# Altium PCB PIF_robot.PcbDoc
Units mil, origin at the board's own origin, x right, y up, seen from the top; angles counter-clockwise.
Board outline 6000 x 4000 mil, 2 copper layers (Top Layer, Bottom Layer); 72 components, 127 nets, 318 pads, 0 vias.
Unrouted connection lines stored in the file: 158.
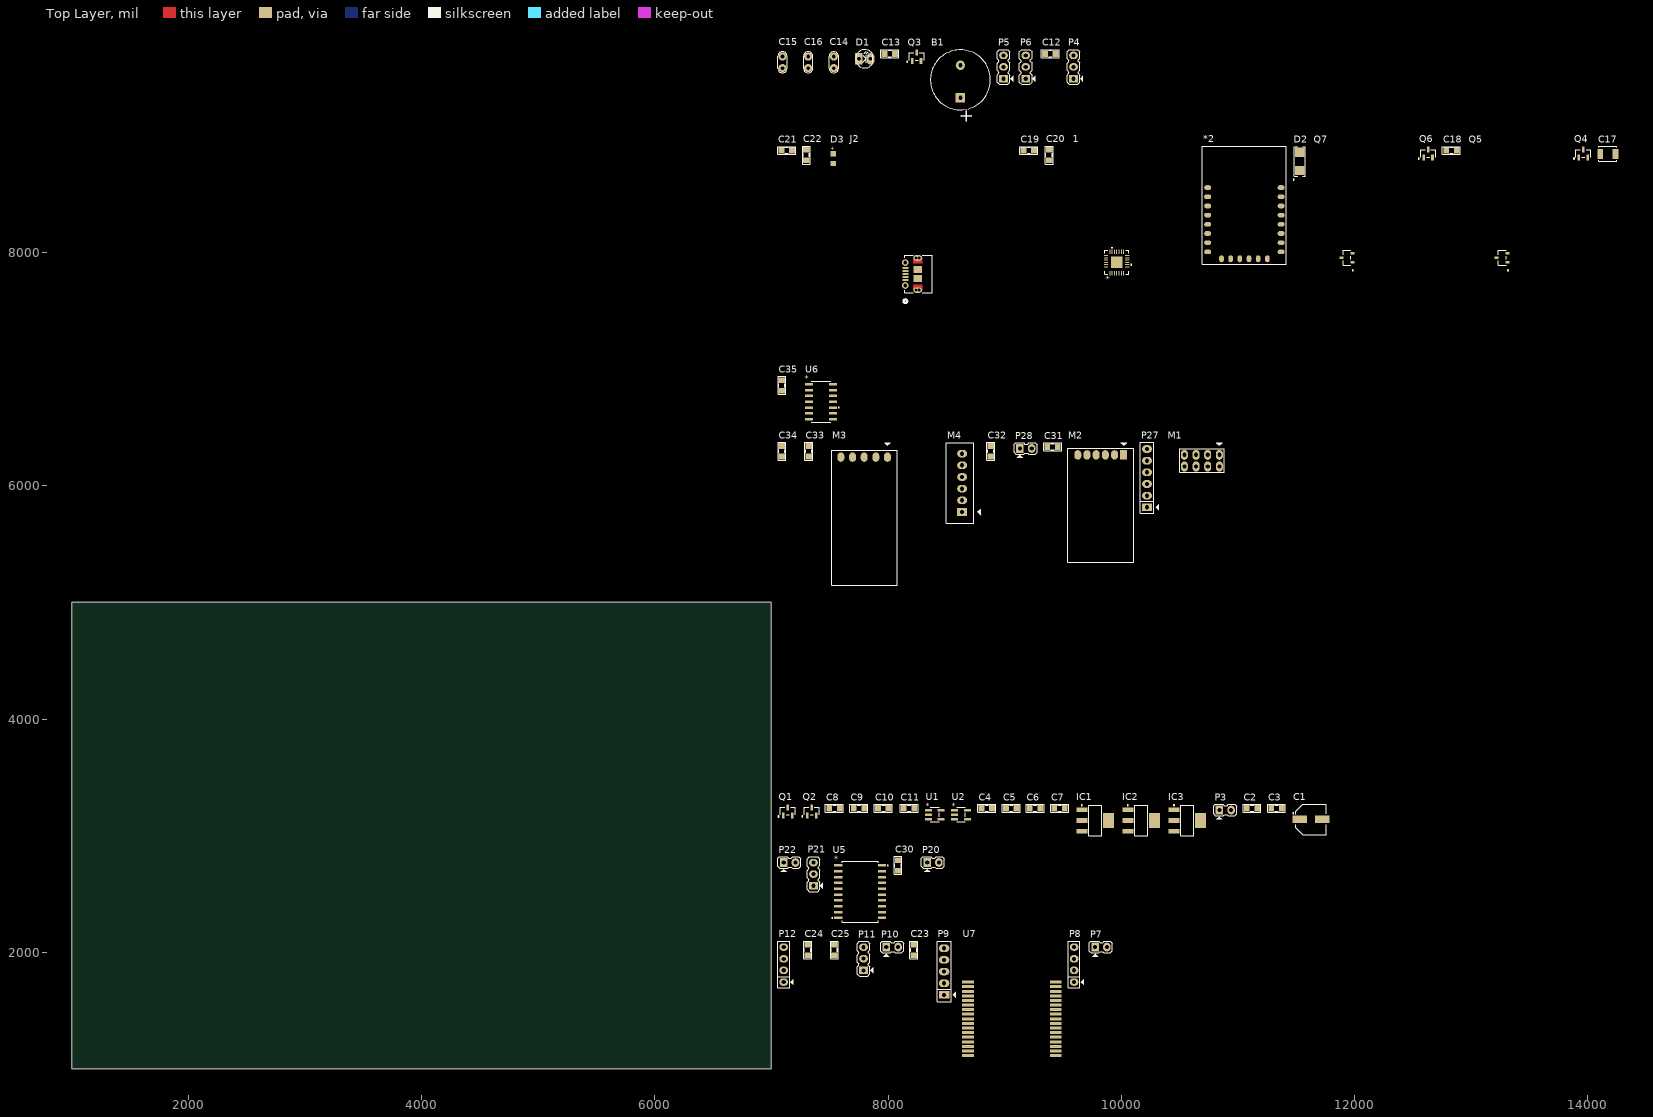
[diagram p0: Top Layer view]
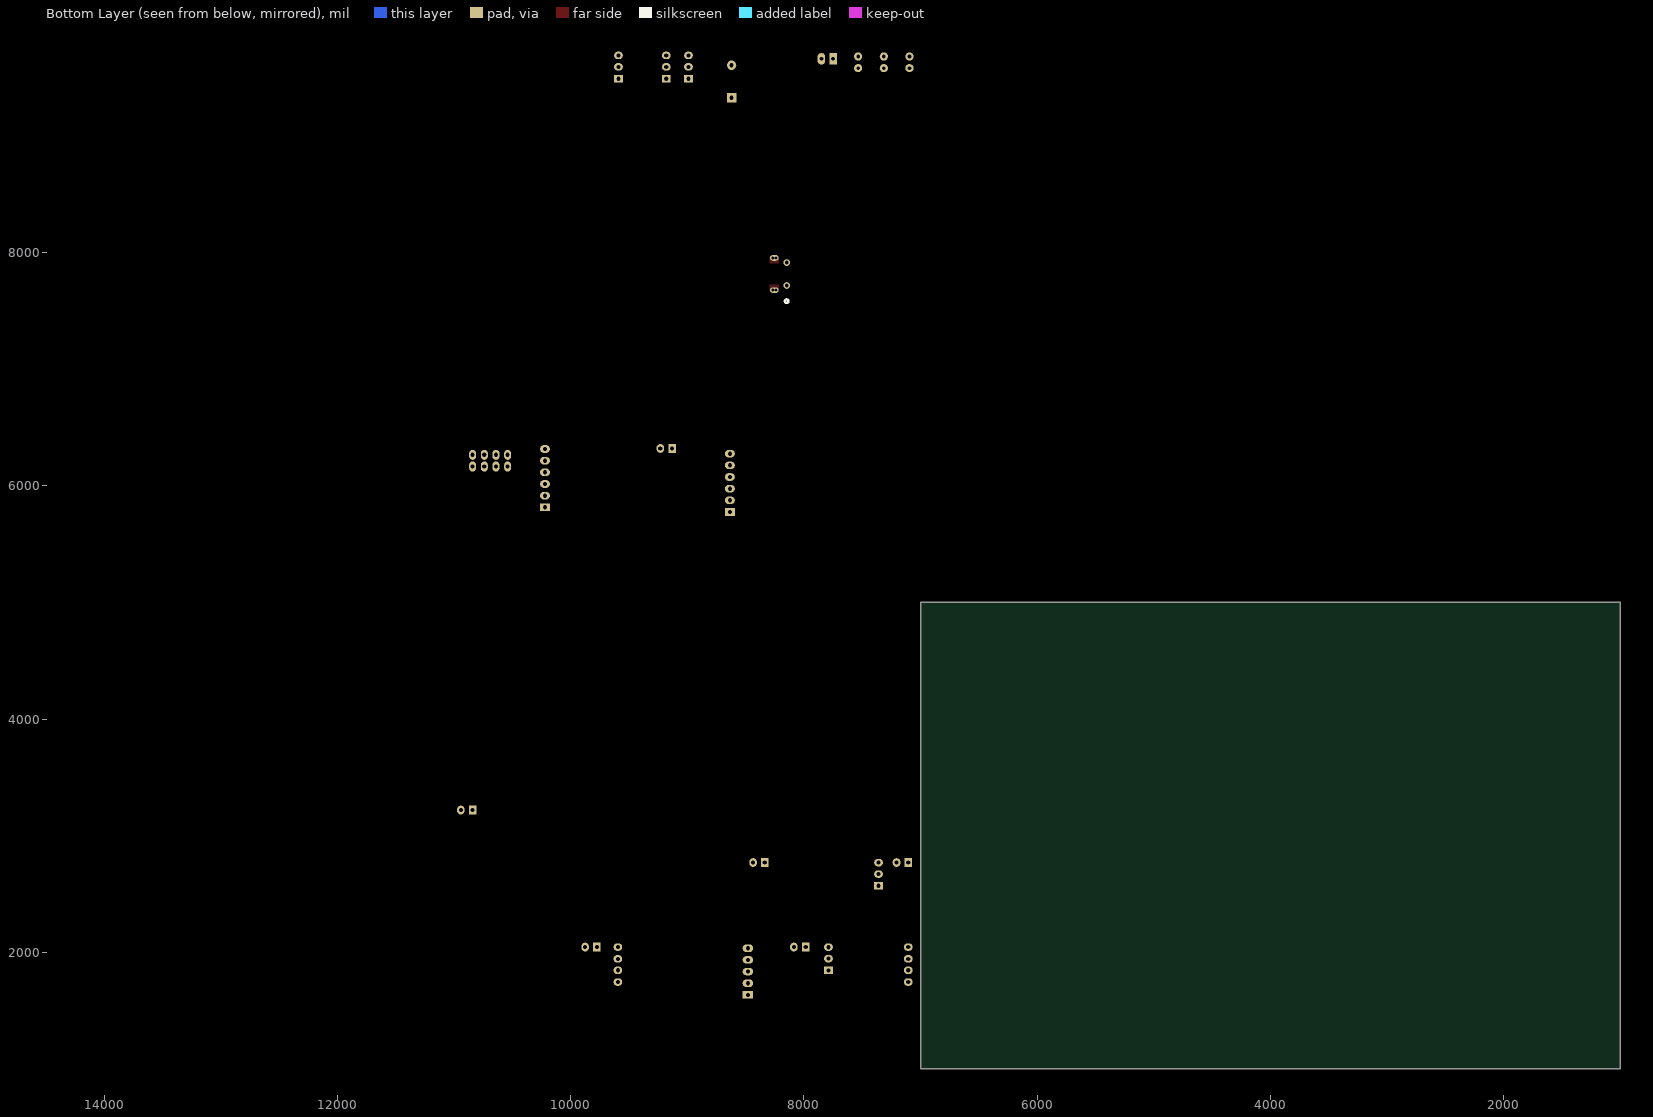
[diagram p1: Bottom Layer view, seen from below]

## Layer stack, top to bottom
Top Solder: solder mask 0.4, Solder Resist, Dk 3.5
Top Layer: signal copper 1.4
Dielectric 1: dielectric 12.6, FR-4, Dk 4.8
Bottom Layer: signal copper 1.4
Bottom Solder: solder mask 0.4, Solder Resist, Dk 3.5

## Board outline
1000,1000 7000,1000 7000,5000 1000,5000

## Design rules (kind name [scope] priority, off if disabled: settings)
Clearance [All] p1: gap=8 ignorepadtopadclearanceinfootprint=FALSE
Height [All] p1: minheight=0 maxheight=10000 prefheight=500
PlaneConnect [All] p1: planeconnectstyle=Direct reliefexpansion=20 reliefentries=4 reliefconductorwidth=10 reliefairgap=10
PolygonConnect [All] p1: connectstyle=Relief reliefconductorwidth=10 reliefentries=4 polygonreliefangle="90 Angle" airgapwidth=10
RoomDefinition XCBMPUSche [InComponentClass('XCBMPUSche')] p1: confinementstyle=ConfineIn formatcopy=TRUE lockcomponents=FALSE outline 7045,9075 9680,9075 9680,9850 7045,9850
RoomDefinition wifi [InComponentClass('wifi')] p2: confinementstyle=ConfineIn formatcopy=TRUE lockcomponents=FALSE outline 7045,7095 14270,7095 14270,9020 7045,9020
RoomDefinition Sensor [InComponentClass('Sensor')] p3: confinementstyle=ConfineIn formatcopy=TRUE lockcomponents=FALSE outline 7045,6535 7590,6535 7590,7045 7045,7045
RoomDefinition RF [InComponentClass('RF')] p4: confinementstyle=ConfineIn formatcopy=TRUE lockcomponents=FALSE outline 7045,3430 10995,3430 10995,6480 7045,6480
RoomDefinition PIF_robot [InComponentClass('PIF_robot')] p5: confinementstyle=ConfineIn formatcopy=TRUE lockcomponents=FALSE outline 7045,2980 11795,2980 11795,3380 7045,3380
RoomDefinition "Motor Control" [InComponentClass('Motor Control')] p6: confinementstyle=ConfineIn formatcopy=TRUE lockcomponents=FALSE outline 7045,2250 8495,2250 8495,2930 7045,2930
RoomDefinition Decawave [InComponentClass('Decawave')] p7: confinementstyle=ConfineIn formatcopy=TRUE lockcomponents=FALSE outline 7045,1060 9935,1060 9935,2205 7045,2205
RoutingVias [All] p1: holewidth=15.75 width=31.5 viastyle="Through Hole" minholewidth=15.75 minwidth=31.5 maxholewidth=15.75 maxwidth=31.5
SolderMaskExpansion [All] p1: expansion=4
UnRoutedNet [All] p1: checkbadconnections=TRUE
Width [All] p1: maxlimit=15 minlimit=8 preferedwidth=10
27 further rules are at their usual default settings.

## Classes and differential pairs
component class XCBMPUSche: B1 C12 C13 C14 C15 C16 D1 J1 P4 P5 P6 Q3 R5 R6 R7 R8 R9 R10 S1 S2 U3
component class wifi: 1 *2 C17 C18 C19 C20 C21 C22 D2 D3 J2 Q4 Q5 Q6 Q7 R11 R12 R13 R14 R15 R16 R17 R18 R19 R20 R21
component class Sensor: B2 C35 P29 P30 U6
component class RF: C31 C32 C33 C34 M1 M2 M3 M4 P27 P28
component class "Motor Control": C30 P20 P21 P22 P23 P24 P25 P26 U5
component class Decawave: C23 C24 C25 D4 D5 D6 D7 D8 D9 P7 P8 P9 P10 P11 P12 R22 R23 R24 R25 R26 R27 R28 R29 S3 S4 U7
component class PIF_robot: C1 C2 C3 C4 C5 C6 C7 C8 C9 C10 C11 IC1 IC2 IC3 P3 Q1 Q2 U1 U2

## Components (designator, comment, footprint, x,y, rotation, side; value= is the part's Value field where it differs from the comment)
1 "" QFN28_5X5_SIL 9960,7915 r90 top
*2 "ESP8266-12F" ESP8266-12F 10740,8005 r0 top
B1 "Buzzer" BUZZER 8620,9325 r90 top
C1 "Cap-Al-100uF-16V-D6L5" CAP-SM-AL-SIZE-D-D6L6 11625,3140 r0 top value=100uF/16V
C2 "Cap-10uF-50V-0805" CAP-SM-0805 11075,3235 r0 top value=10uF/50V
C3 "Cap-10uF-50V-0805" CAP-SM-0805 11285,3235 r0 top value=10uF/50V
C4 "Cap-10uF-50V-0805" CAP-SM-0805 8800,3235 r0 top value=10uF/50V
C5 "Cap-10uF-50V-0805" CAP-SM-0805 9010,3235 r0 top value=10uF/50V
C6 "Cap-10uF-50V-0805" CAP-SM-0805 9215,3235 r0 top value=10uF/50V
C7 "Cap-10uF-50V-0805" CAP-SM-0805 9425,3235 r0 top value=10uF/50V
C8 "Cap-100nF-50V-0805" CAP-SM-0805 7495,3235 r0 top value=100nF/50V
C9 "Cap-10uF-50V-0805" CAP-SM-0805 7705,3235 r0 top value=10uF/50V
C10 "Cap-100nF-50V-0805" CAP-SM-0805 7915,3235 r0 top value=100nF/50V
C11 "Cap-10uF-50V-0805" CAP-SM-0805 8135,3235 r0 top value=10uF/50V
C12 "Cap-100nF-50V-0805" CAP-SM-0805 9345,9705 r0 top value=100nF/50V
C13 "Cap-100nF-50V-0805" CAP-SM-0805 7970,9705 r0 top value=100nF/50V
C14 "Cap Non-Pol" CN1 7535,9580 r90 top value=100nF
C15 "Cap Non-Pol" CN1 7095,9580 r90 top value=100nF
C16 "Cap Non-Pol" CN1 7315,9580 r90 top value=100nF
C17 "TAJB107M006RNJ" CAP_SM_TAN 14170,8845 r0 top value=100uF/16V
C18 "Cap-100nF-50V-0805" CAP-SM-0805 12785,8875 r0 top value=100nF/50V
C19 "Cap-10uF-50V-0805" CAP-SM-0805 9160,8875 r0 top value=10uF/50V
C20 "Cap-100nF-50V-0805" CAP-SM-0805 9380,8790 r90 top value=100nF/50V
C21 "Cap-10uF-50V-0805" CAP-SM-0805 7085,8875 r0 top value=10uF/50V
C22 "Cap-100nF-50V-0805" CAP-SM-0805 7300,8790 r90 top value=100nF/50V
C23 "Cap-100nF-50V-0805" CAP-SM-0805 8220,1975 r90 top value=100nF/50V
C24 "Cap-100nF-50V-0805" CAP-SM-0805 7310,1975 r90 top value=100nF/50V
C25 "Cap-100nF-50V-0805" CAP-SM-0805 7540,1975 r90 top value=100nF/50V
C30 "Cap-100nF-50V-0805" CAP-SM-0805 8085,2700 r90 top value=100nF/50V
C31 "Cap-100nF-50V-0805" CAP-SM-0805 9365,6335 r0 top value=100nF/50V
C32 "Cap-100nF-50V-0805" CAP-SM-0805 8880,6250 r90 top value=100nF/50V
C33 "Cap-100nF-50V-0805" CAP-SM-0805 7320,6250 r90 top value=100nF/50V
C34 "Cap-100nF-50V-0805" CAP-SM-0805 7090,6250 r90 top value=100nF/50V
C35 "Cap-100nF-50V-0805" CAP-SM-0805 7090,6815 r90 top value=100nF/50V
D1 "LED-RED-TH-3mm" LED-3mm 7750,9660 r0 top value=Red
D2 "SS14" SS14 11530,8780 r90 top
D3 "Bright Green, 2V" WL-SMCW_0805 7530,8805 r90 top
IC1 "AMS1117" SOT223 9775,3130 r0 top value=LM317
IC2 "AMS1117" SOT223 10170,3130 r0 top value=LM317
IC3 "AMS1117" SOT223 10565,3130 r0 top value=LM317
J2 "105017-0001" CONN_105017-0001 8260,7815 r90 top
M1 "NRF24L01" NRF24L01 10840,6265 r90 top
M2 "LC12S" LC12S 10020,6265 r90 top
M3 "HC-12" HC-12 7995,6245 r90 top
M4 "Holybro Radio" Holybro-Radio 8635,5775 r0 top
P3 "Header 2" JP2 10840,3220 r0 top
P4 "Header 3" JP3 9590,9590 r90 top
P5 "Header 3" JP3 8990,9590 r90 top
P6 "Header 3" JP3 9180,9590 r90 top
P7 "Header 2" JP2 9775,2045 r0 top
P8 "Header 4" JP4 9595,1845 r90 top
P9 "Header 5" JP5 8480,1635 r90 top
P10 "Header 2" JP2 7985,2045 r0 top
P11 "Header 3" JP3 7790,1945 r90 top
P12 "Header 4" JP4 7105,1845 r90 top
P20 "Header 2" JP2 8335,2770 r0 top
P21 "Header 3" JP3 7360,2670 r90 top
P22 "Header 2" JP2 7105,2770 r0 top
P27 "Header 6" JP6 10220,5815 r90 top
P28 "Header 2" JP2 9130,6320 r0 top
Q1 "MMBT3904-1AM" SOT23_NEX 7140,3210 r0 top
Q2 "MMBT3904-1AM" SOT23_NEX 7345,3210 r0 top
Q3 "MMBT3904-1AM" SOT23_NEX 8245,9680 r0 top
Q4 "S8050" SOT23_NEX 13960,8850 r0 top
Q5 "IRLML6402TRPBF" SOT23_INF 13265,7955 r90 top
Q6 "S8050" SOT23_NEX 12630,8850 r0 top
Q7 "IRLML6402TRPBF" SOT23_INF 11935,7955 r90 top
U1 "XC6204B332MR" XC6204/05_SOT-00 8400,3180 r0 top
U2 "XC6204B332MR" XC6204/05_SOT-00 8625,3180 r0 top
U5 "74HC245D,652" SOT163-1_NEX 7760,2520 r0 top
U6 "74HC14D,652" SOT108-1_NEX 7425,6720 r0 top
U7 "DWM1001" DWM1001 8685,1115 r0 top

## Footprints (in the part's own frame and the unit in brackets; to place one, negate y for a bottom-side part, rotate by r counter-clockwise, add the part's x,y. Pads: shape width x height; smd on the part's side, far side on the other; paste and mask are expansions set on the pad)
BUZZER [mil] "Buzzer"
  rect 80x80 hole 36: 1(1.27,0)
  round 80 hole 36: 2(280,0)
  silkscreen extent -102,-257 412,257
CAP-SM-0805 [mil]
  rect 50x55 smd: 1(0,0) 2(90,0)
  silkscreen extent -32,-34 122,33, body extent 4,-27 86,27, height 30
CAP-SM-AL-SIZE-D-D6L6 [mm] "WH6.6"
  rect 3.15x1.6 smd: 1(-2.45,0) 2(2.45,0)
  silkscreen extent -3.95,-3.3 3.3,3.3, body extent -3.9,-3.4 3.9,3.4, height 5.7
CAP_SM_TAN [mil]
  rect 49.98x87 smd: 1(-65,0) 2(65,0)
  silkscreen extent -78,-64 78,64, body extent -73,-60 73,58, height 85
CN1 [mil]
  round 70 hole 31: 1(0,0) 2(100,0)
  silkscreen extent -40,-40 141,40, body extent -65,-35 165,32, height 265
CONN_105017-0001 [mil]
  rect 16x53 smd paste+0 mask+0: 1(-51.18,112) 2(-25.59,112) 3(0,112) 4(25.59,112) 5(51.18,112)
  round 57 hole 33: 6(-98.43,112.98) 7(98.43,112.98)
  rect 59x75 smd: 10(-39.37,6.68) 11(39.37,6.68)
  oval 48x75 hole 1 mask+0: S_1(-137.8,6.68) S_2(137.8,6.68)
  round 24 hole 24: S_1_H1(-137.8,20.18) S_1_H2(-137.8,-6.82) S_2_H1(137.8,20.18) S_2_H2(137.8,-6.82)
  Top Layer region: -91.8,-30.82 -91.8,44.18 -137.8,44.18 -137.8,-30.82
  Top Layer region: 91.8,-30.82 91.8,44.18 137.8,44.18 137.8,-30.82
  Multi-Layer lines w24: -137.8,20.18 -137.8,-6.82 ; 137.8,20.18 137.8,-6.82
  silkscreen extent -247,-117 162,127, body extent 0,0 10,10, height 10
DWM1001 [mm]
  rect 2.54x0.65 smd: 1(0,16) 2(0,15) 3(0,14) 4(0,13) 5(0,12) 6(0,11) 7(0,10) 8(0,9) 9(0,8) 10(0,7) 11(0,6) 12(0,5) 13(0,4) 14(0,3) 15(0,2) 16(0,1) 17(0,0) 18(19.13,0) 19(19.13,1) 20(19.13,2) 21(19.13,3) 22(19.13,4) 23(19.13,5) 24(19.13,6) 25(19.13,7) 26(19.13,8) 27(19.13,9) 28(19.13,10) 29(19.13,11) 30(19.13,12) 31(19.13,13) 32(19.13,14) 33(19.13,15) 34(19.13,16)
  body extent -0.01,-1.15 19.12,24.97, height 3.2
ESP8266-12F [mil]
  oval 60x40 smd: 1(0,551.18) 2(0,472.44) 3(0,393.7) 4(0,314.96) 5(0,236.22) 6(0,157.48) 7(0,78.74) 8(0,0) 15(629.92,0) 16(629.92,78.74) 17(629.92,157.48) 18(629.92,236.22) 19(629.92,314.96) 20(629.92,393.7) 21(629.92,472.44) 22(629.92,551.18)
  oval 40x60 smd: 9(118.11,-59.06) 10(196.85,-59.06) 11(275.59,-59.06) 12(354.33,-59.06) 13(433.07,-59.06) 14(511.81,-59.06)
  silkscreen extent -45,-105 675,905, body extent 0,-59 630,886, height 104
HC-12 [mil]
  oval 80x60 smd: 1(0,0) 2(0,100) 3(0,200) 4(0,300) 5(0,400)
  silkscreen extent -1100,-450 125,480, body extent -1081,-65 9,459, height 1020
Holybro-Radio [mil]
  rect 85x65 hole 36: 1(0,0)
  oval 85x65 hole 36: 2(0,100) 3(0,200) 4(0,300) 5(0,400) 6(0,500)
  silkscreen extent -135,-95 160,595, body extent -132,-92 98,592, height 284
JP2 [mil]
  rect 65x75 hole 36: 1(0,0)
  oval 65x75 hole 36: 2(101,0)
  silkscreen extent -49,-81 148,48, body extent -48,-50 148,48, height 323
JP3 [mil] "Jumper 3"
  rect 65x75 hole 36: 1(-100,0)
  oval 65x75 hole 36: 2(1,0) 3(99,0)
  silkscreen extent -150,-81 149,55, body extent -150,-60 150,55, height 355
JP4 [mil] "Jumper 4"
  oval 65x75 hole 36: 1(-100,0) 2(1,0) 3(99,0) 4(200,0)
  silkscreen extent -150,-81 250,50, body extent -148,-48 248,50, height 323
JP5 [mil] "JP5"
  rect 65x90 hole 36: 1(0,0)
  oval 65x90 hole 36: 2(100,0) 3(200,0) 4(300,0) 5(400,0)
  silkscreen extent -57,-101 461,60, body extent -48,-53 448,45, height 323
JP6 [mil] "JP6"
  rect 65x85 hole 36: 1(0,0)
  oval 65x85 hole 36: 2(100,0) 3(200,0) 4(300,0) 5(400,0) 6(500,0)
  silkscreen extent -50,-99 556,58, body extent -48,-50 548,48, height 323
LC12S [mil]
  rect 80x60 smd: 1(0,0)
  oval 80x60 smd: 2(0,78.74) 3(0,157.48) 4(0,236.22) 5(0,314.96) 6(0,393.7)
  silkscreen extent -920,-85 105,480, body extent -908,-71 9,469, height 79
LED-3mm [mil] "LED 2 PIN, 3ly Only colour"
  rect 65x100 hole 32: 1(0,0)
  oval 65x100 hole 32: 2(100,0)
  silkscreen extent -29,-78 118,79, body extent -25,-75 113,75, height 217
NRF24L01 [mil]
  oval 86x60 hole 36: 1(0,0) 2(-100,0) 3(0,100) 4(-100,100) 5(0,200) 6(-100,200) 7(0,300) 8(-100,300)
  silkscreen extent -150,-40 105,340, body extent -2827,-150 86,451, height 3861
QFN28_5X5_SIL [mil]
  rect 38x8 smd paste+0 mask+0: 1(-91.5,59.06) 2(-91.5,39.37) 3(-91.5,19.68) 4(-91.5,0) 5(-91.5,-19.68) 6(-91.5,-39.37) 7(-91.5,-59.06) 15(91.5,-59.06) 16(91.5,-39.37) 17(91.5,-19.68) 18(91.5,0) 19(91.5,19.68) 20(91.5,39.37) 21(91.5,59.06)
  rect 8x38 smd paste+0 mask+0: 8(-59.06,-91.5) 9(-39.37,-91.5) 10(-19.69,-91.5) 11(0,-91.5) 12(19.69,-91.5) 13(39.37,-91.5) 14(59.06,-91.5) 22(59.06,91.5) 23(39.37,91.5) 24(19.69,91.5) 25(0,91.5) 26(-19.69,91.5) 27(-39.37,91.5) 28(-59.06,91.5)
  rect 100x100 smd paste-65.5 mask+0: 29(0,0)
  silkscreen extent -104,-130 130,104, body extent -98,-98 99,99, height 37
SOT23_INF [mil]
  rect 22x34 smd paste+0 mask+0: 1(-37.5,-47) 2(37.5,-47) 3(0,47)
  silkscreen extent -114,-55 64,33, body extent 0,0 10,10, height 10
SOT23_NEX [mil]
  rect 22x52 smd paste+0 mask+4: 1(-37.5,-37.21) 2(37.5,-37.21) 3(0,33.36)
  silkscreen extent -85,-50 64,32, body extent -59,-54 59,44, height 43
SOT108-1_NEX [mil]
  rect 67x21 smd paste+0 mask+0: 1(-102.5,150) 2(-102.5,100) 3(-102.5,50) 4(-102.5,0) 5(-102.5,-50) 6(-102.5,-100) 7(-102.5,-150) 8(102.5,-150) 9(102.5,-100) 10(102.5,-50) 11(102.5,0) 12(102.5,50) 13(102.5,100) 14(102.5,150)
  silkscreen extent -84,-177 156,177, body extent -122,-172 122,172, height 69
SOT163-1_NEX [mil]
  rect 71x21 smd paste+0 mask+0: 1(-188,225) 2(-188,175) 3(-188,125) 4(-188,75) 5(-188,25) 6(-188,-25) 7(-188,-75) 8(-188,-125) 9(-188,-175) 10(-188,-225) 11(188,-225) 12(188,-175) 13(188,-125) 14(188,-75) 15(188,-25) 16(188,25) 17(188,75) 18(188,125) 19(188,175) 20(188,225)
  silkscreen extent -244,-261 244,261, body extent -209,-256 209,256, height 104
SOT223 [mm] "SOT223, 4-Leads, Body 6.5x3.5mm, Pitch 2.3mm, Lead Span 7mm, IPC Medium Density"
  rect 2.4x1 smd: 1(-2.9,2.3) 2(-2.9,0) 3(-2.9,-2.3)
  rect 2.4x3.3 smd: 4(2.9,0)
  silkscreen extent -3.02,-3.35 1.4,3.47, body extent -3.39,-3.27 3.5,3.23, height 1.72
SS14 [mm] "DO-214-AC/SMA Molded Diode, Body 5.3x2.6mm, IPC Medium Density"
  rect 1.999x1.999 smd: 1(-2,0) 2(2,0)
  silkscreen extent -4.06,-1.22 3.23,1.47, body extent -2.75,-1.4 2.75,1.4, height 2.3
WL-SMCW_0805 [mm] "SMD Mono-color Chip LED, body 2.0x1.25mm"
  rect 1.1x1.2 smd: 1(-1.05,0) 2(1.05,0)
  body extent -1,-0.63 1,0.62, height 0.7
XC6204/05_SOT-00 [mil]
  rect 60x21 smd: 1(-54.75,37.4) 2(-54.75,0) 3(-54.75,-37.4) 4(54.75,-37.4) 5(54.75,37.4)
  silkscreen extent -38,-62 38,62, body extent -56,-57 54,57, height 51

## Part data
1: library part CP2102-GM, "No Description Available", Built_By=EMA_UL_Team, Copyright="Copyright (C) 2018 Accelerated Designs. All rights reserved", Manufacturer_Part_Number=CP2102-GM, RefDes=RefDes, SourceLibrary=Silicon_Labs_2015-03-23, Type=DEV, Vendor="Silicon Labs"
*2: Local Supplier Part Number=HS000912, Local Supplier=HShop, Local Supplier Link=https://hshop.vn/products/mach-thu-phat-wifi-soc-esp8266-v12
C1: "CAP ALUM 100UF 20% 16V SMD", Manufacturer=Nichicon, Manufacturer Part Number=UWX1C101MCL1GB, Supplier 1 Part Number=493-2105-1-ND, Local Supplier=thegioiic, Local Supplier Link=https://thegioiic.com/products/tu-nhom-smd-100uf-16v-d6-3l5-4, Supplier 1=Digikey, Supplier 1 Link=https://www.digikey.com/product-detail/en/nichicon/UWX1C101MCL1GB/493-2105-1-ND/590080
C2 C3 C4 C5 C6 C7 C9 C11 C19 C21: "CAP CER 10UF 50V X5R 0805", Manufacturer=Yageo, Manufacturer Part Number=CC0805KKX5R9BB106, Supplier 1 Part Number=311-3499-2-ND, Local Supplier=thegioiic, Local Supplier Link=https://thegioiic.com/products/tu-10uf-50v-0805, Supplier 1=Digikey, Supplier 1 Link=https://www.digikey.com/product-detail/en/yageo/CC0805KKX5R9BB106/311-3499-2-ND/7164383
C8 C10 C12 C13 C18 C20 C22 C23 C24 C25 C30 C31 C32 C33 C34 C35: "CAP CER 0.1UF 50V Y5V 0805", Manufacturer="Samsung Electro-Mechanics", Manufacturer Part Number=CL21F104ZBCNNNC, Supplier 1 Part Number=1276-1007-1-ND, Local Supplier=thegioiic, Local Supplier Link=https://thegioiic.com/products/tu-100nf-0-1uf-50v-0805, Supplier 1=Digikey, Supplier 1 Link=https://www.digikey.com/product-detail/en/samsung-electro-mechanics/CL21F104ZBCNNNC/1276-1007-1-ND/3889093
C14 C15 C16: library part Cap-TH-NonPol, "Capacitor"
C17: library part Cap-Tan-100uF-16V, Manufacturer=Nichicon, Manufacturer Part Number=UWX1C101MCL1GB, Supplier 1 Part Number=493-2105-1-ND, Local Supplier=icdayroi, Local Supplier Link=https://icdayroi.com/tu-tantalum-100uf-16v-smd6032, Supplier 1=Digikey, Supplier 1 Link=https://www.digikey.com/product-detail/en/nichicon/UWX1C101MCL1GB/493-2105-1-ND/590080
D1: "LED RED CLEAR T-1 T/H", Manufacturer=Kingbright, Manufacturer Part Number=WP710A10SEC/J3, Supplier 1 Part Number=754-1589-ND, Local Supplier=thegioiic, Local Supplier Link=https://thegioiic.com/products/led-do-3mm-chan-dai, Supplier 1=Digikey, Supplier 1 Link=https://www.digikey.com/product-detail/en/kingbright/WP710A10SEC-J3/754-1589-ND/2769815
D2: library part Diode-SS14, "DIODE SCHOTTKY 40V 1A SMA", Manufacturer="ON Semiconductor", Supplier 1 Part Number=SS14CT-ND, Local Supplier=thegioiic, Local Supplier Link=https://thegioiic.com/products/ss14-sma, Manufacturer Part Number=SS14, Supplier 1=Digikey, Supplier 1 Link=https://www.digikey.com/product-detail/en/on-semiconductor/SS14/SS14CT-ND/965729
D3: library part 150080VS75000, "WL-SMCW SMT Mono-color Chip LED Waterclear, size 0805, Bright Green, 2V, 140deg", Emitting Color="Bright Green", Forward Voltage typ.=2V, Operating Temperature="-40 to +85degC", Chip Technology=AlInGaP, ComponentLink1Description=Manufacturer, ComponentLink1URL=http://www.we-online.de, ComponentLink2Description=Datasheet, ComponentLink2URL=https://www.we-online.com/catalog/datasheet/150080VS75000.pdf, Dominant Wavelength typ.=570nm, Luminous Intensity typ.=40mcd, Mounting Technology=SMT, Packaging="Tape and Reel", Part Number=150080VS75000, Peak Wavelength typ.=572nm, Published Date="December 2019", Publisher="Wurth Elektronik", Size=0805, Viewing Angle=140deg
IC1 IC2 IC3: "Available in 1.8V, 2.5V, 2.85V, 3.3V, 5V, and  Adjustable Versions"
J2 Q5 Q7: "No Description Available", Copyright="Copyright (C) 2018 Accelerated Designs. All rights reserved", RefDes=RefDes, Type=DEV
  J2: Built_By=EMA_Cory, Datasheet=https://www.molex.com/pdm_docs/sd/1050170001_sd.pdf, Manufacturer_Part_Number=105017-0001, SourceLibrary=Molex_2020-05-26, Vendor="Molex Connector Corporation"
  Q5 Q7: Built_By=EMA_Justin, Manufacturer_Part_Number=IRLML6402TRPBF, Source_Library=Infineon_2020-02-27.xlr, SourceLibrary=Infineon_2020-02-27, Vendor=Infineon
M1: Local Supplier Part Number=HS000888, Local Supplier=HShop, Local Supplier Link=https://hshop.vn/products/mach-thu-phat-nrf24l01-pa-2-4ghzcu-khech-dai-cung-suat-thu-phat
M2: Local Supplier Part Number=HS00095, Local Supplier=HShop, Local Supplier Link=https://hshop.vn/products/mach-thu-phat-rf-uart-lc12s-2-4ghz?fbclid=IwAR3h1hU0io-Cc4GBL9Q-KMB_-TKtvE-b63OAEmRNHthVrXHliy_JpDId3Yg
M3: Local Supplier Part Number=HS000897, Local Supplier=HShop, Local Supplier Link=https://hshop.vn/products/mach-thu-phat-rf-uart-si4463-433mhzkhoang-coch-1km
P3 P7 P10 P20 P22 P28: "Header, 2-Pin", LatestRevisionDate=17-Jul-2002, LatestRevisionNote="Re-released for DXP Platform.", Publisher="Altium Limited"
P4 P5 P6 P11 P21: "Header, 3-Pin", LatestRevisionDate=17-Jul-2002, LatestRevisionNote="Re-released for DXP Platform.", Publisher="Altium Limited"
P8 P12: "Header, 4-Pin", LatestRevisionDate=17-Jul-2002, LatestRevisionNote="Re-released for DXP Platform.", Publisher="Altium Limited"
P9: "Header, 5-Pin", LatestRevisionDate=17-Jul-2002, LatestRevisionNote="Re-released for DXP Platform.", Publisher="Altium Limited"
P27: "Header, 6-Pin", LatestRevisionDate=17-Jul-2002, LatestRevisionNote="Re-released for DXP Platform.", Publisher="Altium Limited"
M4: Local Supplier Link=https://www.lazada.vn/products/ld-holybro-433mhz-915-mhz-500-mw-thu-phat-vo-tuyen-xa-bo-v3-cho-pixhawk-4-dieu-khien-chuyen-bay-i430804435-s768474304.html?spm=a2o4n.searchlist.list.4.25396b19yIS9XO&search=1
U1 U2: Built_By=EMA_UL_Team, Copyright="Copyright (C) 2018 Accelerated Designs. All rights reserved", Manufacturer_Part_Number=XC6204B332MR, RefDes=RefDes, SourceLibrary=Torex_2016-07-05_1, Type=DEV, Vendor="Torex Semiconductor"

## Nets (pads, with @x,y where several pads share a name; then routed paths per layer and width w, separated by ;. In a path a pad name is that pad's centre, name@x,y a point inside that pad or via, vN(x,y) a via of type N, cw(c..) or ccw(c..) an arc to the next point about the centre after c; other vN are vias at no path point)
3V3: C14.2 C15.2 C16.2
"3V3 WIFI": 1.6 1.7 *2.8 C17.1 C19.2 C20.2
3V3_BLU: C9.2 U1.5
3V3_DWM: C7.2 IC3.2 IC3.4 P10.2
3V3_DWM_M: C23.2 P8.4 P10.1 U7.12
3V3_ENC: 
3V3_MC: C5.2 C6.2 C35.2 D1.1 IC2.2 IC2.4 P5.1 P6.3 P21.1 U6.14
3V3_RF: C11.2 C31.2 C33.2 C34.2 M1.2 M3.1 M4.1 P28.2 U2.5
3V3_WIFI: C4.2 IC1.2 IC1.4
5V: B1.1 C3.2 C8.2 C10.2 IC2.3 IC3.3 P3.1 P21.3 U1.1 U2.1
"5V USB": D2.2 J2.1
"5V WIFI": 1.8 C21.2 C22.2 D2.1
5V_WIFI: IC1.3 P3.2
12V: C1.1 C2.1 P20.1 P22.1
12V_STEP: P20.2 P22.2
BOOT0: P5.2
BOOT1: M2.4 M3.5 P6.2 P27.3
BTN: C13.2
BUZZER: 
CP2102_DTR: 1.28 Q6.2
CP2102_RTS: 1.24 Q4.2
DWM_BLE_WK: C25.1 U7.32
DWM_nRST: C24.1 P7.1 U7.33
DWM_RX_LED: U7.31
DWM_SCL: P11.1 U7.25
DWM_SDA: P11.2 U7.23
DWM_SPI_CLK: P9.3 U7.28
DWM_SPI_CSn: P9.2 U7.29
DWM_SPI_MISO: P9.5 U7.26
DWM_SPI_MOSI: P9.4 U7.27
DWM_SWCLK: P8.2 U7.2
DWM_SWDIO: P8.1 U7.3
DWM_TX_LED: U7.30
ENC_1A: U6.1
ENC_1B: U6.3
ENC_2A: U6.5
ENC_2B: U6.9
ESP_ENB: 
ESP_GPIO0: Q6.3
ESP_GPIO2: 
ESP_GPIO15: 
ESP_nRST: *2.1 C18.2 Q4.3
GND: 1.3 1.29 *2.15 C1.2 C2.2 C3.1 C4.1 C5.1 C6.1 C7.1 C8.1 C9.1 C10.1 C11.1 C12.1 C13.1 C14.1 C15.1 C16.1 C17.2 C18.1 C19.1 C20.1 C21.1 C22.1 C23.1 C24.2 C25.2 C30.1 C31.1 C32.1 C33.1 C34.1 C35.1 IC1.1 IC2.1 IC3.1 J2.5 M1.1 M2.6 M3.2 M4.6 P4.3 P5.3 P6.1 P7.2 P8.3 P9.1 P11.3 P12.4 P27.1 Q1.2 Q2.2 Q3.2 Q5.3 Q7.3 U1.2 U2.2 U5.10 U5.19 U6.7 U7.1 U7.11 U7.24 U7.34
LED: 
MTR1_A1: 
MTR1_A2: 
MTR1_B1: 
MTR1_B2: 
MTR1_DIR: U5.17
MTR1_ENB: U5.14
MTR1_PWM: U5.18
MTR2_A1: 
MTR2_A2: 
MTR2_B1: 
MTR2_B2: 
MTR2_DIR: U5.15
MTR2_ENB: U5.13
MTR2_PWM: U5.16
Net1_12: 1.12 D3.2
Net1_26: 1.26
Net*2_21: *2.21 Q5.2 Q7.2
Net*2_22: 1.25 *2.22
NetB1_2: B1.2 Q3.3
NetC32_2: C32.2 M2.1 P27.6 P28.1
NetD1_2: D1.2
NetD3_1: D3.1
NetD4_1: U7.7
NetD4_2: 
NetD5_1: U7.8
NetD5_2: 
NetD6_1: U7.9
NetD6_2: 
NetD7_1: U7.10
NetD7_2: 
NetD8_2: 
NetD9_2: 
NetM1_3: M1.3
NetM1_4: M1.4
NetM1_5: M1.5
NetM1_6: M1.6
NetM1_7: M1.7
NetM1_8: M1.8
NetM2_2: M2.2 M3.3 M4.2 P27.5
NetM2_3: M2.3 M3.4 M4.3 P27.4
NetM2_5: M2.5 P27.2
NetM4_4: M4.4
NetM4_5: M4.5
NetP12_1: P12.1 U7.20
NetP12_2: P12.2 U7.19
NetP12_3: P12.3 U7.18
NetQ1_1: Q1.1
NetQ1_3: Q1.3 U1.3
NetQ2_1: Q2.1
NetQ2_3: Q2.3 U2.3
NetQ3_1: Q3.1
NetQ4_1: Q4.1
NetQ5_1: Q5.1
NetQ6_1: Q6.1
NetQ7_1: Q7.1
NetR3_1: 
NetR4_1: 
NetR8_1: 
NetR9_1: 
NetR18_1: 
NetU3_3: U5.3
NetU3_4: U5.6
NetU3_5: U5.5
NetU3_6: U5.7
NetU3_10: U5.2
NetU3_11: U5.4
NetU3_16: U6.2
NetU3_17: U6.6
NetU3_26: 
NetU3_30: 
NetU3_31: 
NetU3_32: 
NetU3_42: U6.8
NetU3_43: U6.4
NetU3_45: 
NetU3_46: 
NRST: C12.2
SWCLK: 
SWDIO: 
USB_D+: 1.4 J2.3
USB_D-: 1.5 J2.2
VCC: 
VCC_245: C30.2 P21.2 U5.1 U5.20
pads on no net: 1.1 1.2 1.9 1.10 1.11 1.13 1.14 1.15 1.16 1.17 1.18 1.19 1.20 1.21 1.22 1.23 1.27 *2.2 *2.3 *2.4 *2.5 *2.6 *2.7 *2.9 *2.10 *2.11 *2.12 *2.13 *2.14 *2.16 *2.17 *2.18 *2.19 *2.20 J2.4 J2.6 J2.7 J2.10 J2.11 J2.S_1 J2.S_1_H1 J2.S_1_H2 J2.S_2 J2.S_2_H1 J2.S_2_H2 P4.1 P4.2 U1.4 U2.4 U5.8 U5.9 U5.11 U5.12 U6.10 U6.11 U6.12 U6.13 U7.4 U7.5 U7.6 U7.13 U7.14 U7.15 U7.16 U7.17 U7.21 U7.22

## Text inside footprints (layer, text, board x,y; h text height)
1: Top Overlay "*" at 9916.1,7767 h50 r90; Mechanical 7 "Default Padstyle: RX8Y38D0T" at 10380.5,7577.5 h50 r90; Mechanical 7 "Heat Tab Padstyle: RX132Y132D0T" at 10440.5,7527.5 h50 r90; Mechanical 7 "Alt 1 Padstyle: OX60Y90D30P" at 10560.5,7577.5 h50 r90; Mechanical 7 "Alt 2 Padstyle: OX90Y60D30P" at 10620.5,7577.5 h50 r90; Mechanical 7 "0.02in/0.5mm" at 9923.29,8139.5 h25 r90; Mechanical 7 "0.026in/0.66mm" at 9735.5,7913 h25 r90; Mechanical 7 "0.197in/5.004mm" at 9660.5,7821.25 h25 r90; Mechanical 7 "0.197in/5.004mm" at 9972.5,8214.5 h25 r90; Mechanical 7 "0.197in/5.004mm" at 9972.5,7478 h25 r90; Mechanical 7 "0.197in/5.004mm" at 10234.5,7821.25 h25 r90; Mechanical 13 "*" at 9916.1,7830 h50 r90
B1: Top Overlay "+" at 8720,9105 h112.5 r90
D3: Top Overlay "+" at 7541.81,8905.39 h30 r180
J2: Mechanical 7 "0.224in/5.69mm" at 8272.5,7102.5 h25 r90; Mechanical 7 "0in/0mm" at 8160.5,7140 h25 r90; Mechanical 7 "-0.105in/-2.675mm" at 8213.16,7215 h25 r90; Mechanical 7 "0.001in/0.025mm" at 8160.01,7365 h25 r90; Mechanical 7 "0in/0mm" at 8160.5,8092.5 h25 r90; Mechanical 7 "0.315in/8.001mm" at 7688.52,7721.25 h25 r90; Mechanical 7 "0.197in/5mm" at 7788.52,7746.25 h25 r90; Mechanical 7 "0.276in/7mm" at 7888.52,7746.25 h25 r90; Mechanical 7 "0.026in/0.65mm" at 8013.52,7689.11 h25 r90; Mechanical 7 "Alt Padstyle 2: OX90Y60D30P" at 9057,7477.5 h50 r90; Mechanical 7 "Alt Padstyle 1: OX60Y90D30P" at 8982,7477.5 h50 r90; Mechanical 7 "Right Mtg Padstyle: EX60Y60D30P" at 8907,7427.5 h50 r90; Mechanical 7 "Left Mtg Padstyle: EX60Y60D30P" at 8832,7440 h50 r90; Mechanical 7 "3rd Mtg Padstyle: RX59Y75D0T" at 8757,7465 h50 r90; Mechanical 7 "2nd Mtg Padstyle: OX39Y75D24P" at 8682,7452.5 h50 r90; Mechanical 7 "1st Mtg Padstyle: EX57Y57D33P" at 8607,7452.5 h50 r90; Mechanical 7 "Default Padstyle: RX16Y53D0T" at 8532,7465 h50 r90
Q5: Mechanical 7 "0.055in/1.397mm" at 13277.5,7588.5 h25 r90; Mechanical 7 "0.118in/2.997mm" at 12995,7861.25 h25 r90; Mechanical 7 "0.02in/0.508mm" at 13095,7867.5 h25 r90; Mechanical 7 "0.075in/1.905mm" at 13460,7861.25 h25 r90; Mechanical 7 "0.006in/0.152mm" at 13230.5,8109 h25 r90; Mechanical 7 "0.1in/2.54mm" at 13277.5,8184 h25 r90; Mechanical 7 "Alt 2 Padstyle: OX90Y60D30P" at 13804,7617.5 h50 r90; Mechanical 7 "Alt 1 Padstyle: OX60Y90D30P" at 13729,7617.5 h50 r90; Mechanical 7 "Bottom Padstyle: RX22Y34D0T" at 13654,7617.5 h50 r90; Mechanical 7 "Top Padstyle: RX22Y34D0T" at 13579,7655 h50 r90
Q7: Mechanical 7 "0.055in/1.397mm" at 11947.5,7588.5 h25 r90; Mechanical 7 "0.118in/2.997mm" at 11665,7861.25 h25 r90; Mechanical 7 "0.02in/0.508mm" at 11765,7867.5 h25 r90; Mechanical 7 "0.075in/1.905mm" at 12130,7861.25 h25 r90; Mechanical 7 "0.006in/0.152mm" at 11900.5,8109 h25 r90; Mechanical 7 "0.1in/2.54mm" at 11947.5,8184 h25 r90; Mechanical 7 "Alt 2 Padstyle: OX90Y60D30P" at 12474,7617.5 h50 r90; Mechanical 7 "Alt 1 Padstyle: OX60Y90D30P" at 12399,7617.5 h50 r90; Mechanical 7 "Bottom Padstyle: RX22Y34D0T" at 12324,7617.5 h50 r90; Mechanical 7 "Top Padstyle: RX22Y34D0T" at 12249,7655 h50 r90
U1: Top Overlay "*" at 8322.75,3229.4 h50
U2: Top Overlay "*" at 8547.75,3229.4 h50
U5: Top Overlay "*" at 7540,2775.99 h50
U6: Top Overlay "*" at 7285,6895 h50